# Altium PCB F407.PcbDoc (part 1 of 2) (continued)
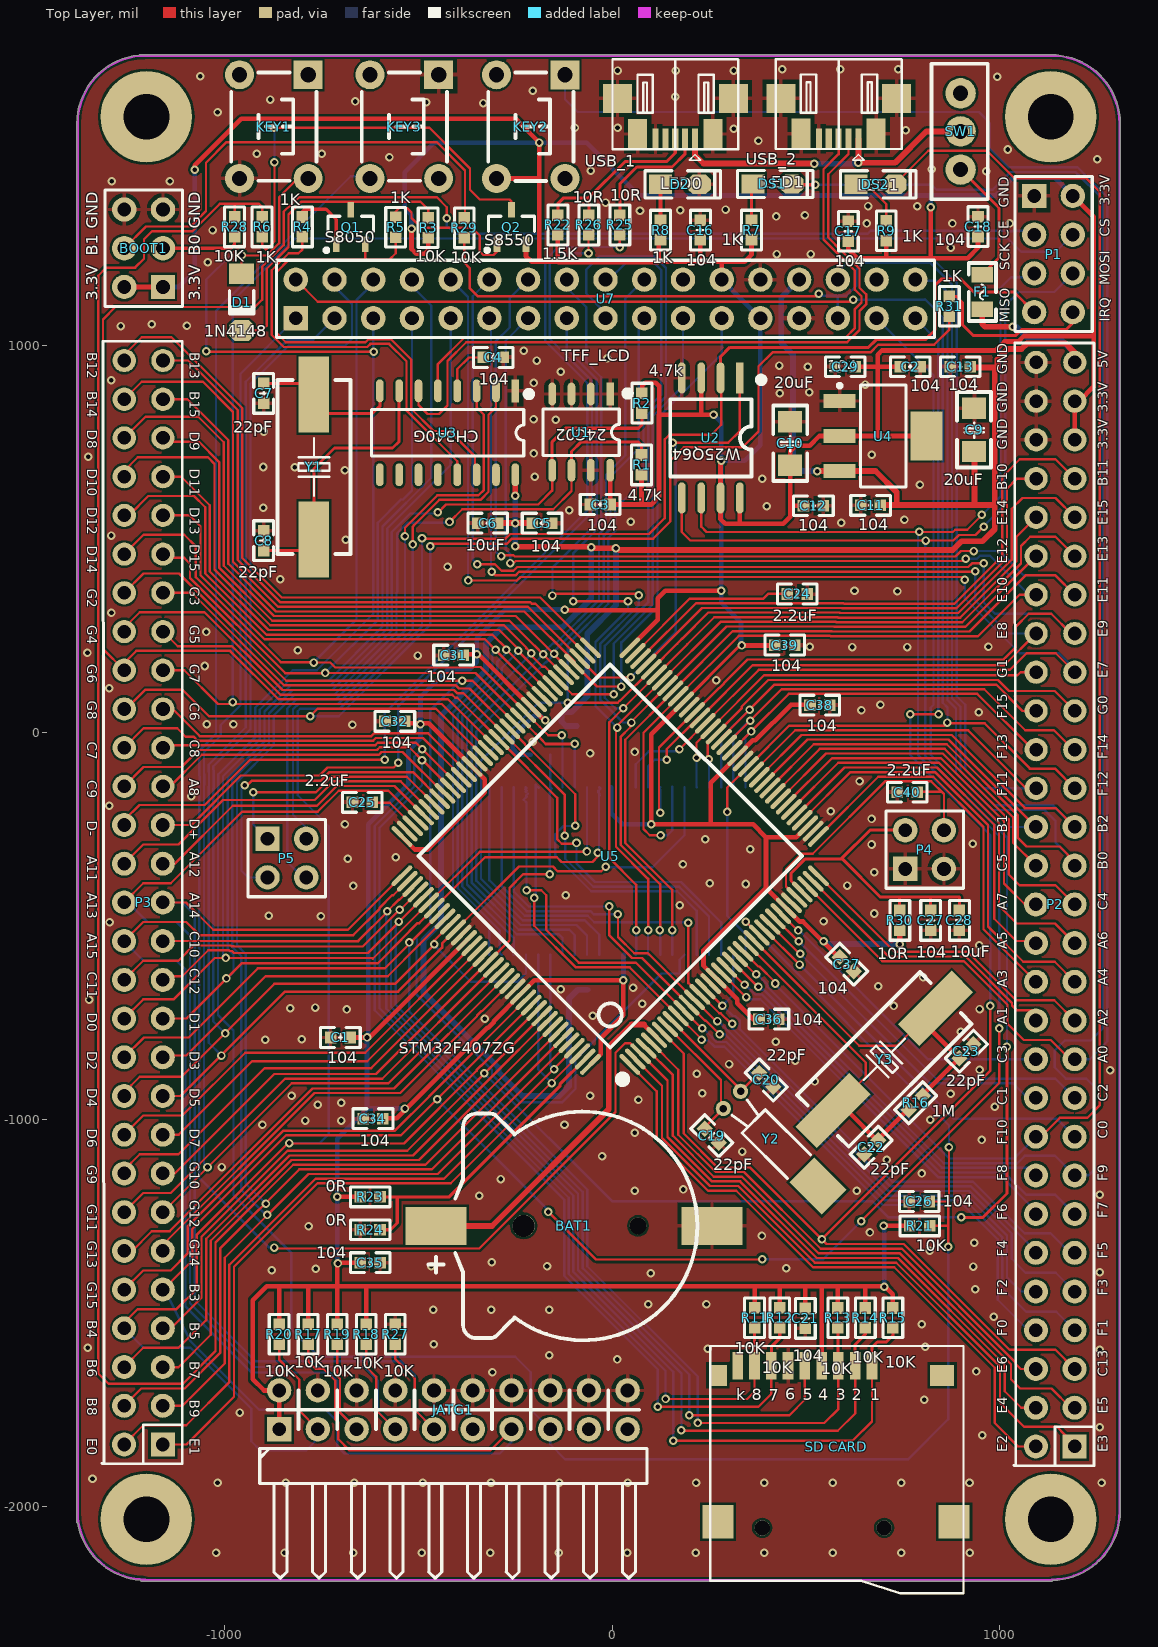
[diagram p0: Top Layer view]
## Part data
BAT1: library part CR-3V, "微型电池"
C1 C2 C3 C4 C5 C6 C7 C8 C11 C12 C13 C14 C15 C16 C17 C18 C19 C20 C21 C22 C23 C24 C25 C27 C28 C29 C31 C32 C34 C35 C36 C37 C38 C39 C40: library part C, "无极性贴片电容"
C9 C10 C26: library part C-CD, "贴片钽电容"
D1: "高速开关二极管"
D2 DS1 DS2: library part LED-SMD, "贴片LED"
F1: library part FU, "贴片保险丝"
KEY1 KEY2 KEY3: library part "TSW DIP-6x6", "直插6x6轻触开关"
P2 P3: "Header, 29-Pin, Dual row"
Q1: library part 8050-SMD, "高频放大-NPN型"
Q2: library part 8550-SMD, "高频放大-PNP型"
R1 R2 R3 R4 R5 R6 R7 R8 R9 R10 R11 R12 R13 R14 R15 R16 R17 R18 R19 R20 R21 R22 R23 R24 R25 R26 R27 R28 R29 R30 R31: library part R, "贴片电阻"
"SD CARD": library part sd_Card, "TF卡座"
SW1: library part SSW-1P, "1路波动开关"
U1: "外置EEPROM"
U2: library part W25X64, "外置Flash"
U3: "串口转USB"
U4: library part AMS1117, "三端稳压芯片"
U5: "Flaah:1024/RAM:192/IO:114"
USB_1 USB_2: "微型USB母座"
Y1 Y2 Y3: library part XTAL-2P, "2脚无源脚晶振"

## Free pads (board coordinates)
  round 236.22 hole 118.11: 0(-1202.83,-2032.52) 1(1132.83,-2032.52) 2(-1202.83,1589.53) 3(1132.83,1589.53)

## Via types
v1: diameter 22, hole 12, Top Layer to Bottom Layer, tented both sides, 413 vias

## Nets (pads, with @x,y where several pads share a name; then routed paths per layer and width w, separated by ;. In a path a pad name is that pad's centre, name@x,y a point inside that pad or via, vN(x,y) a via of type N, cw(c..) or ccw(c..) an arc to the next point about the centre after c; other vN are vias at no path point)
+3.3V: "SD CARD.4" BOOT1.1 BOOT1.2 C1.2 C2.2 C3.2 C10.1 C12.1 C16.2 C17.2 C18.2 C21.2 C29.1 C31.1 C32.1 C34.1 C35.1 C36.1 C37.1 C38.1 C39.1 JATG1.1 JATG1.2 KEY2.3 P1.2 P2.53 P2.55 Q2.2 R1.2 R2.2 R3.1 R7.2 R8.2 R9.2 R10.2 R11.2 R12.2 R13.2 R14.2 R15.2 R17.1 R18.1 R19.1 R20.1 R21.2 R22.2 R23.1 R30.2 U1.8 U2.3 U2.7 U2.8 U4.2 U4.4 U5.17 U5.30 U5.39 U5.52 U5.62 U5.72 U5.84 U5.95 U5.108 U5.121 U5.131 U5.144 U6.11 U6.33 U7.24 U7.25 | length 21619
  Top Layer w6: -189.14,1430.14 -188,1429
  Top Layer w8: U5.62@184.94,78.74 248,141.79 248,142.7 329.3,224 v1(335,224)
  Top Layer w12: BOOT1.2@-1260,1150 BOOT1.1@-1160,1150 ; v1(-1078,1453) -1078,1464 -958,1584 -249,1584 v1(-188,1523) -188,1429 -188,1218.6 ; JATG1.1@-860,-1800 JATG1.2@-860,-1700 -899,-1700 -928,-1671 -928,-1467 -892,-1431 -860,-1431 ; R20.1@-860,-1529.41 -860,-1431 ; R17.1@-785,-1529.41 -785,-1432 -786,-1431 ; R19.1@-710,-1529.41 -710,-1431 ; v1(-710,-1200) R23.1@-650.59,-1200 ; C1.2@-676,-788.33 v1(-633,-788.33) -626.45,-788.33 -577.69,-739.57 ; C35.1@-650.59,-1370 -710,-1370 -710,-1431 ; R18.1@-635,-1529.41 -635,-1431 ; C34.1@-592,-997 -556.73,-997 -322.73,-763 -319.47,-763 -306,-749.53 -306,-746.27 U5.131@-236.7,-676.98 -200.73,-641 v1(29,-641) 29,-731.3 -29.53,-789.84 -29.53,-814.94 -29.39,-815.09 -29.39,-831.17 -55.75,-857.53 U5.144@-55.75,-857.93 ; -576.12,-738 U5.121@-375.9,-537.78 ; U5.108@-542.93,-269.25 -509.18,-303 -477,-303 -329,-155 -329,-121.27 U5.95@-361.98,-88.3 -473.33,23.06 C32.1@-534.41,23.06 ; v1(-518,1300) -518,1248 -506,1236 -484,1236 -475,1245 R3.1@-475,1277.41 ; C31.1@-383.41,204 -380.4,201 v1(-350,201) -345.05,201 U5.84@-208.86,64.82 -175.05,31 v1(-173,31) ; KEY2.3@-298.58,1430.14 -189.14,1430.14 ; Q2.2@-222.6,1260 -222.6,1229.6 -208,1215 -140,1215 ; R22.2@-140,1274.41 -140,1215 ; v1@-122,321 -116,315 117.76,315 ; C3.2@-5.41,588 76,588 ; C3.2@-5,589 U1.8@-5,676.57 ; U5.72@45.75,217.93 117.76,289.94 117.76,315 ; R1.2@76,664.82 76,588 ; R2.2@78,875.59 78,895.59 85.41,903 113,903 122,894 122,821 ; R8.2@120,1270.41 120,1215.01 ; U5.62@184.94,78.34 101,-5.6 v1(101,-238) 101,-240 103,-238 254.54,-238 ; C16.2@228,1271.41 228,1215 ; U2.3@230,915 230,820 ; v1(262,820) 230,820 ; v1(282,701) 280,699 U2.7@280,605 280,550 292,538 330,538 ; v1@283,365 v1(282,365) 137,365 117.76,345.76 117.76,315 ; U7.24@283,1169 283,1213 285,1215 ; U2.8@330,605 330,538 ; v1(335,224) C39.1@420.41,224 ; R7.2@360,1256.42 360,1233 342,1215 285,1215 ; R11.2@368,-1486.41 368,-1431 ; 372.02,-427.53 358.54,-441 236,-563.53 236,-602.76 U5.17@268.46,-635.22 323,-689.76 323,-700 364,-741 C36.1@379.41,-741 ; 372.02,-427.51 381.51,-418.02 ; 381.53,-418.02 395,-404.54 397.34,-402.19 ; R12.2@433,-1486.41 433,-1431 ; 461,585 C12.1@491.58,585 ; C21.2@499,-1488.41 499,-1432 500,-1431 ; U5.39@505.09,-241.41 475.17,-271.34 397.34,-271.34 ; C38.1@511.41,71 462.11,71 370.11,-21 363.6,-21 U5.52@324.14,-60.46 254.54,-130.06 254.54,-238 ; 541,-1431 500,-1431 ; 541.06,-1636.61 541.06,-1431.06 586,-1431.06 ; R13.2@583,-1486.94 583,-1434.07 586,-1431.06 ; C37.1@592.41,-576 580,-576 493,-489 484.15,-489 U5.30@449.41,-454.27 397.34,-402.19 ; C17.2@610,1268.41 610,1247 633,1224 708,1224 ; C29.1@627.59,944 686,944 ; R14.2@654,-1486.94 654,-1431.06 ; v1(701,-1275) R21.2@768.82,-1275 ; v1@702.48,-1431.06 654,-1431.06 ; v1@704.06,-1431.06 725,-1452 R15.2@725,-1486.94 ; R9.2@707,1268.41 R9.2@708,1269.41 708,1224 ; C2.2@744.41,944 686,944 ; U4.4@812.2,765 685,765 ; v1(823,1356) 823,1224 ; C18.2@945,1280.41 945,1251 918,1224 823,1224 ; P1.2@1190,1385 1244,1331 1244,1023.5 ; P2.53@1195,755 P2.55@1195,855 1206,855 1244,893 1244,1023.5 ; -860,-1431 -786,-1431 ; -786,-1431 -710,-1431 ; -710,-1431 -635,-1431 ; -635,-1431 368,-1431 ; -140,1215 -139,1214 118.99,1214 120,1215.01 ; 76,588 101,588 121,608 121,820 122,821 ; 120,1215 228,1215 ; 122,821 123,820 230,820 ; 228,1215 285,1215 ; 254.54,-238 364,-238 397.34,-271.34 ; 330,538 442,538 460,556 C10.1@460,689.88 460,725 475,740 510,740 535,765 U4.2@587.8,765 685,765 ; 368,-1431 433,-1431 ; 397.34,-402.19 397.34,-271.34 ; 433,-1431 500,-1431 ; 586,-1431.06 654,-1431.06 ; 685,765 686,766 686,944 ; 686,944 686,975 697,986 990.42,986 1013.42,1009 1049.33,1009 1063.83,1023.5 1244,1023.5 ; 708,1224 823,1224
  Top Layer w15: v1(743,-547.18) R30.2@743,-511.59
  Bottom Layer w12: BOOT1.1@-1160,1150 -1119,1150 -1078,1191 v1(-1078,1453) ; v1@-710,-1372 v1(-710,-1200) -710,-1050 -632,-972 ; v1(-535,-972) -632,-972 ; v1(-518,1300) -518,1335 -536,1353 -536,1446 -460,1522 -65.97,1522 70.03,1386 989,1386 1035,1432 1143,1432 P1.2@1190,1385 ; R10.2@-210.59,-58 -242,-58 -257,-43 -257,-13 -202,42 -184,42 v1(-173,31) ; v1@-132,317 -276,317 -350,243 v1(-350,201) -350,181 -367.99,163.01 -422.99,163.01 -495,91 v1(-495,21) -495,-16.47 -526,-47.47 -526,-133.82 -629.5,-237.32 -629.5,-784.83 v1(-633,-788.33) -633,-972 -632,-972 ; U6.11@-1.97,-141.93 -1.97,-209.03 27,-238 99,-238 v1@101,-240 ; v1(29,-641) 29.53,-640.47 U6.33@29.53,-575 ; v1(262,820) 263,820 282,801 v1(282,701) ; U7.24@283,1169 U7.25@383,1069 383,741 343,701 v1(282,701) ; v1@332.76,224 332.76,284.24 282,335 v1(282,365) 282,693 286,697 v1(282,701) ; v1(701,-1275) 702.48,-1276.48 v1(702.48,-1432) ; v1(823,1356) 823,1384
  Bottom Layer w15: v1(546,-539.57) 553.6,-547.18 v1(743,-547.18)
  other v1: -708,-1372 -122,316
+5V: C5.2 C6.2 C9.1 C11.1 C13.2 C14.2 C15.2 F1.2 P2.57 U3.16 U4.3 U7.28 | length 6661.7
  Top Layer w15: C6.2@-286.03,540 C5.2@-207.21,540 ; v1(-250,480) -249,479 v1(-54,478) -51,475 v1(10,475) ; v1(-250,611) U3.16@-250,665 ; v1@10,478.5 18,470.5 879.88,470.5 902.38,493 956.65,493 988,524.35 988,586.5 ; v1(529.45,674.45) U4.3@587.8,674.45 680.55,674.45 735.01,619.99 735.01,586.5 ; C11.1@692.5,585 694,586.5 735.01,586.5 ; C13.2@924.59,942 995.5,942 ; C9.1@936,720 936,586.5 ; F1.2@956,1092 956,1054 963,1047 v1(1035,1047) ; P2.57@1195,955 1195,980 1187.1,987.9 1171,1004 1071.9,1004 1057.4,989.5 1021.5,989.5 995.5,963.5 995.5,942 ; 735.01,586.5 936,586.5 ; 936,586.5 988,586.5 ; 988,586.5 988,934.5 995.5,942
  Bottom Layer w15: v1(-250,480) v1(-250,539.38) v1(-250,611) ; C14.2@-91.59,16 -119,16 -131,28 -131,45 -124.5,51.5 -104.85,51.5 -63.5,92.85 -63.5,117.15 -64,117.65 -64,254.39 10,328.39 v1(10,475) ; C15.2@-63.59,-665 -89,-665 -111,-687 -111,-914 -136.57,-939.57 -231.43,-939.57 -293.5,-877.5 -293.5,-865.88 -487.5,-671.88 -487.5,-537.5 -442,-492 -442,43.35 -325.5,159.85 -325.5,211.15 -325.5,229.5 -284,271 -128,271 -54,345 v1(-54,478) ; U7.28@483,1169 437,1123 437,1005 467,975 467,698 490.55,674.45 v1(529.45,674.45) ; v1(1035,1047) 1044,1047 1071,1020 1153,1020 1195,978 P2.57@1195,955
BOOT0: R6.2 R28.1 U5.138 | length 5168.4
  Top Layer w6: R28.1@-975,1330.59 -975,1364 -974,1365 ; R6.2@-904,1330.59 -904,1357 -912,1365 -974,1365 ; U5.138@-139.27,-774.41 -481.85,-1117 -823.28,-1117 -1024.43,-1318.14 -1024.43,-1598.45 -1108.97,-1683 -1300,-1683 -1327,-1656 -1327,1179 -1306,1200 -1232,1200 -1209,1223 -1209,1273 -1188,1294 -1084.03,1294 -1013.03,1365 -974,1365
BOOT1: P2.33 R29.2 U5.48 U7.29 | length 4155.4
  Top Layer w6: R29.2@-389,1277.41 R29.2@-382,1270.41 ; R29.2@-382,1276.82 R29.2@-382,1270.41 ; R29.2@-380,1268.41 R29.2@-382,1270.41 ; U5.48@379.82,-116.14 488.95,-7 877,-7 1066,-196 1146,-196 P2.33@1194.57,-244.57 ; v1(534,1132) 527.59,1125.59 -346.59,1125.59 -368,1147 -368,1199 -382,1213 R29.2@-382,1270.41
  Bottom Layer w6: v1(534,1132) 538.86,1127.14 583.14,1127.14 ; U7.29@555,1069 U7.29@583,1069 583,1127 583.14,1127.14 ; P2.33@1194.57,-244.57 1139,-189 988,-189 900,-101 900,66 878,88 878,1156 822,1212 648,1212 631,1195 631,1153.28 604.86,1127.14 583.14,1127.14
CH340_D+: U3.5 USB_2.3 | length 1737.1
  Top Layer w6: U3.5@-450,881.69 -450,950.97 -381.97,1019 -376,1019 539.5,1019 602,1019 627,1044 627,1093 631,1097 631.28,1097 644,1109.72 644,1126 627,1143 627,1191.82 586.4,1232.41 586.3,1232.41 546,1272.71 546,1308.97 546,1454 585.01,1493.01 USB_2.3@585.01,1532.28
CH340_D-: U3.6 USB_2.2 | length 1905.5
  Top Layer w6: U3.6@-500,881.69 -500,845 -477,822 -447,822 -425,844 -425,959 -377,1007 599.64,1007 606.97,1007 639,1039.03 639,1087.75 656,1104.75 656,1130.97 639,1147.97 639,1197.09 627.09,1209 626.79,1209 595,1240.79 595,1241.09 591.68,1244.41 591.27,1244.41 558,1277.68 558,1441 610.51,1493.51 USB_2.2@610.51,1532.28
D+: P3.33 R26.1 | length 2371.6
  Top Layer w6: P3.33@-1160.43,-239.57 -1086.55,-239.57 -958.97,-112 -755.91,-112 -734.91,-91 -564,-91 v1(-552,-79) ; v1(-61,1237) -61,1283.41 R26.1@-60,1284.41
  Bottom Layer w6: v1@-552,-73 -552,68.03 -52,568.03 -52,906.97 -161,1015.97 -161,1214.03 -138.03,1237 v1(-61,1237)
D-: P3.34 R25.1 | length 2542
  Top Layer w6: P3.34@-1260.43,-239.57 -1260.43,-227.43 -1221,-188 -1051.94,-188 -934.94,-71 v1(-587,-71) ; v1(20,1253) R25.1@20,1274.41
  Bottom Layer w6: v1(-587,-71) -587,50 -64,573 -64,902 -173,1011 -173,1219 -139,1253 -73.28,1253 -69.28,1257 -52.72,1257 -48.72,1253 v1(20,1253) v1@20,1245
F_CS: P3.56 U2.1 U5.75 | length 2850.8
  Top Layer w6: P3.56@-1260,860 -1215,905 -1056.94,905 -979,827.06 -979,440.06 -862.94,324 -217.5,324 U5.75@-83.59,190.09 -35.03,141.53 v1(48,141.53) ; v1(156,748) 300,748 330,778 U2.1@330,915
  Bottom Layer w6: v1(48,141.53) 48,142.06 164,258.06 164,740 v1(156,748)
FSMC_A0: P2.8 U5.10 U6.5 | length 2194.3
  Top Layer w6: v1(-201,-428) -201,-500 -93.62,-607.38 45.75,-607.38 U5.10@171.03,-732.66 v1@230.19,-791.82
  Bottom Layer w6: v1(-201,-428) -199,-428 v1@-195,-432 ; v1@-197,-422 -197,-135.87 U6.5@-190.94,-141.93 U6.5@-189,-143.87 ; v1@231,-796 248.25,-796 264.25,-812 289.8,-812 698.8,-1221 907.12,-1221 996,-1309.88 996,-1466 1074.57,-1544.58 P2.8@1094.57,-1544.58
  other v1: 231,-794
FSMC_A1: P2.7 U5.11 U6.4 | length 2294.1
  Top Layer w6: v1(-221,-408) -183,-408 -170,-421 -170,-511 -85.99,-595.01 61.22,-595.01 U5.11@184.94,-718.74 v1@233.21,-767
  Bottom Layer w6: U6.4@-222.44,-141.93 -222.78,-142.27 -221,-144.06 -224,-147.06 -220,-151.06 -223,-154.06 -218,-159.06 -222.6,-163.65 -220,-166.25 -228,-174.25 -221,-181.25 v1@-221,-402 ; v1@234,-763 257.5,-786.5 257.5,-788.28 269.22,-800 294.77,-800 703.77,-1209 912.09,-1209 1008,-1304.91 1008,-1436 1069,-1497 1147,-1497 P2.7@1194.57,-1544.58
  other v1: 233,-765
FSMC_A2: P2.10 U5.12 U6.3 | length 2143.4
  Top Layer w6: v1(-7,-450) -7,-525 51.01,-583.01 77.06,-583.01 U5.12@198.86,-704.82 ; U5.12@205.62,-710.62 240,-745 ; U5.12@205.62,-709.62 U5.12@205.62,-708.34 ; 240,-744 240.5,-744.5 241.78,-744.5 272.28,-775 273.28,-774 v1@277.5,-778.22
  Bottom Layer w6: U6.3@-253.94,-141.93 -253.94,-411.63 -215.57,-450 v1(-7,-450) ; v1@280,-780 291.75,-780 708.75,-1197 917.06,-1197 1020,-1299.94 1020,-1408 1056.57,-1444.58 P2.10@1094.57,-1444.58
  other v1: 277.5,-780
FSMC_A3: P2.9 U5.13 U6.2 | length 2242.3
  Top Layer w6: v1(15,-470) 15,-529 57.01,-571.01 92.9,-571.01 U5.13@212.78,-690.9 265.89,-744 v1@273,-744
  Bottom Layer w6: U6.2@-285.43,-141.93 -285.43,-397.11 -220.54,-462 -56,-462 -47.5,-470.5 -47,-470 v1(15,-470) ; v1@272.64,-744.36 273.07,-744.36 713.72,-1185 922.03,-1185 1032,-1294.97 1032,-1360 1068,-1396 1146,-1396 P2.9@1194.57,-1444.58
  other v1: 272,-746
FSMC_A4: P2.12 U5.14 U6.1 | length 2137.6
  Top Layer w6: v1(197,-492) 197,-648 197.73,-648 U5.14@226.7,-676.98 227.69,-676.98 276.72,-726 280.28,-726 v1@304.28,-750
  Bottom Layer w6: U6.1@-316.93,-141.93 -316.93,-382.58 -225.51,-474 -63,-474 -46,-491 v1@191,-491 ; v1(310,-753) 310,-764.31 718.69,-1173 927,-1173 1094.57,-1340.58 P2.12@1094.57,-1344.58
FSMC_A5: P2.11 U5.15 U6.24 | length 1382.2
  Top Layer w6: U5.15@240.62,-663.06 283.56,-706 v1(285,-706)
  Bottom Layer w6: v1(285,-706) 312.99,-678.01 U6.24@312.99,-575 ; v1@292,-713 312,-733 318.28,-733 330,-744.72 330,-767.34 723.66,-1161 931.97,-1161 1064.97,-1294 1132.28,-1294 1182.86,-1344.58 P2.11@1194.57,-1344.58
FSMC_A6: P2.35 U5.50 U6.23 U7.2 | length 4287
  Top Layer w6: U7.2@-817,1169 -760,1112 618,1112 v1(623,1117) ; v1(297,-206) 297,-143.27 U5.50@351.98,-88.3 457.27,17 859,17 865,23 962,23 1079,-94 1144,-94 P2.35@1195,-145
  Bottom Layer w6: v1(297,-206) 297,-474 344.49,-521.49 U6.23@344.49,-575 ; v1@628,1112 v1(623,1117) 807,1117 808,1118 854,1072 854,76 866,64 v1(866,25) v1@866,18 ; P2.35@1195,-145 P2.35@1212,-145
FSMC_A7: P2.38 U5.53 U6.22 | length 1062.9
  Top Layer w6: U5.53@310.22,-46.54 v1@364.98,8.22 ; v1(359,2) 359,1.8 456.2,99 943,99 1087,-45 P2.38@1095,-45
  Bottom Layer w6: U6.22@344.49,-141.93 344.49,-11.99 v1@358.24,1.76
FSMC_A8: P2.37 U5.54 U6.21 | length 1206.8
  Top Layer w6: U5.54@296.3,-32.62 296.3,-30.42 v1(356.72,30) 437.72,111 961,111 1067,5 1141.3,5 1180,-33.7 P2.37@1180,-45
  Bottom Layer w6: U6.21@312.99,-141.93 312.99,-12.01 355,30 v1(356.72,30)
FSMC_A9: P2.40 U5.55 U6.20 | length 1132.6
  Top Layer w6: U5.55@282.38,-18.7 282.38,-14.34 419.72,123 992,123 1060,55 P2.40@1095,55
  Bottom Layer w6: U6.20@281.5,-141.93 281.5,-15.22 354.72,58 v1(355,58)
FSMC_A10: P2.39 U5.56 U6.19 | length 1168
  Top Layer w6: v1(250,-70) 246.6,-66.6 246.6,-26.65 U5.56@268.46,-4.78 334.41,61.16 334.41,65.97 403.43,135 996.97,135 1025.4,106.57 1143.43,106.57 P2.39@1195,55
  Bottom Layer w6: U6.19@250,-141.93 v1(250,-70)
FSMC_A11: P2.42 U5.57 U6.18 | length 1068.3
  Top Layer w6: v1(218,-66) 218,-27.4 U5.57@254.54,9.14 392.4,147 1047,147 1055,155 P2.42@1095,155
  Bottom Layer w6: v1(218,-66) 218,-142.43 U6.18@218.5,-141.93
FSMC_A12: P3.46 U5.87 U6.28 | length 3085.5
  Top Layer w6: P3.46@-1260,360 -1210,410 -1118.64,410 -841.65,133 v1(-387,133) -360.56,133 U5.87@-250.62,23.06
  Bottom Layer w6: v1@-393.01,133.01 -470,56.01 -470,-493 -505,-528 -505,-533.72 -504,-534.72 -504,-551.28 -505,-552.28 -505,-677.72 -310,-872.72 -310,-884.33 -238.26,-956.07 -129.74,-956.07 -94.5,-920.83 -94.5,-845.22 127.35,-623.37 174.35,-623.37 174.35,-587.65 U6.28@187.01,-575
FSMC_A13: P3.45 U5.88 U6.27 | length 2016.9
  Top Layer w6: P3.45@-1160,360 -1085.62,360 -846.62,121 -403.28,121 -395.28,113 -368.4,113 U5.88@-264.54,9.14 -225,-30.4 -225,-32.28 -213.28,-44 -211.4,-44 -95,-160.4 v1(-95,-242)
  Bottom Layer w6: v1(-95,-242) -125.28,-242 -147,-263.72 -147,-317.94 -53.94,-411 168,-411 218.5,-461.5 U6.27@218.5,-575
FSMC_A14: P3.44 U5.89 U6.26 | length 2066.5
  Top Layer w6: P3.44@-1260,260 -1260,270 -1220,310 -1052.59,310 -851.59,109 -408.25,109 -400.25,101 -384.24,101 U5.89@-278.46,-4.78 ; U5.89@-278.84,-5.16 -122,-162 v1(-122,-267)
  Bottom Layer w6: v1(-122,-267) -115,-267 -121,-273 -121,-326.97 -48.97,-399 172.97,-399 250,-476.03 U6.26@250,-575
FSMC_A15: P3.43 U5.90 U6.25 | length 1932.2
  Top Layer w6: P3.43@-1160,260 -1122,222 -981.56,222 -856.56,97 -413.23,97 -405.23,89 -400.08,89 U5.90@-292.38,-18.7 -142,-169.08 -142,-276 -130,-288 -94,-288 v1(-92,-286)
  Bottom Layer w6: v1(-92,-286) -92,-339 -44,-387 177.94,-387 281.5,-490.55 U6.25@281.5,-575
FSMC_A16: P3.51 U5.80 U6.42 | length 2233.9
  Top Layer w6: P3.51@-1160,660 -1113,660 -1039,586 -1039,415.21 -887.79,264 -291.72,264 -242,214.28 v1(-242,210.28) -242,208.72 -153.78,120.49 U5.80@-153.19,120.49
  Bottom Layer w6: U6.42@-253.94,-575 -253.94,-531.12 -386.83,-398.23 -386.83,41.25 -285,143.08 -285,166.03 -242,209.03 v1(-242,210.28)
FSMC_A17: P3.50 U5.81 U6.43 | length 2296.8
  Top Layer w6: P3.50@-1260,560 -1247.84,560 -1197.84,610 -1079.97,610 -1051,581.03 -1051,410.24 -892.76,252 -308.72,252 v1@-273,216.28 ; v1(-273,212.91) -167.11,107.02 U5.81@-167.11,106.57
  Bottom Layer w6: U6.43@-285.43,-575 -289.94,-570.5 -289.94,-512.09 -398.83,-403.2 -398.83,46.22 -297,148.05 -297,181 v1@-275.37,202.63
FSMC_A18: P3.49 U5.82 U6.44 | length 2118.8
  Top Layer w6: P3.49@-1160,560 -1091,560 -1063,532 -1063,405.27 -897.73,240 -328.37,240 v1(-301,212.63) U5.82@-181.03,92.66
  Bottom Layer w6: U6.44@-316.93,-575 -316.93,-502.07 -410.83,-408.17 -410.83,51.19 -309,153.02 -309,204.63 v1(-301,212.63)
FSMC_D0: P3.48 U5.85 U6.7 U7.6 | length 2597.5
  Top Layer w6: P3.48@-1260,460 -1210,510 -1105,510 -1075,480 -1075,400.3 -855.7,181 v1@-770,181 ; v1(-771,180) -728,180 -715,167 -359.7,167 -358.45,168.24 -340.13,168.24 U5.85@-222.78,50.9 -222.78,49.78 -187,14 -186.72,14 -164.72,-8 v1(-130,-8)
  Bottom Layer w6: v1@-770,181 -660,291 -660,1116 -617,1159 U7.6@-617,1169 ; U6.7@-127.95,-141.93 v1@-127.95,-10.05
FSMC_D1: P3.47 U5.86 U6.8 U7.7 | length 2496.1
  Top Layer w6: P3.47@-1160,460 -1160,450.41 -1105.41,450.41 -1090,435 -1090,398.32 -844.26,152.58 v1@-741,152.58 ; v1@-741,160.01 -733.99,153 -352.73,153 U5.86@-236.7,36.98 -236.7,35.42 -197.28,-4 -196.72,-4 -185,-15.72 -185,-16.28 -171.74,-29.54 -97.41,-29.54 -98.87,-31 -172,-31
  Bottom Layer w6: v1(-741,153) -741,154 -605,290 -605,541.17 -545.17,601 -540.2,601 -517,624.2 U7.7@-517,1069 ; U6.8@-96.46,-141.93 v1(-96.46,-29.54)
FSMC_D2: P3.24 U5.114 U6.9 U7.8 | length 3593.6
  Top Layer w6: P3.24@-1260.43,-739.57 -1210.85,-690 -1133.03,-690 -1026.03,-583 v1(-998,-583) -619.99,-583 -617.99,-585 U5.114@-473.33,-440.35 -341.99,-309 -74.28,-309 v1@-68,-315.28
  Bottom Layer w6: v1(-998,-583) -1005,-576 -1005,-113.8 -910,-18.8 -910,58.11 -835.11,133 -732.72,133 -593,272.72 -593,531.23 -467,657.23 -467,1102 -517,1152 U7.8@-517,1169 ; v1@-65,-302 -64.96,-301.96 U6.9@-64.96,-141.93
  other v1: -65,-308
FSMC_D3: P3.23 U5.115 U6.10 U7.9 | length 3515.2
  Top Layer w6: P3.23@-1160.43,-739.57 -1099.57,-739.57 v1(-996,-636) -957,-597 -605.28,-597 -544,-535.72 -544,-534.72 -502.28,-493 -498.15,-493 U5.115@-459.41,-454.27 -328.15,-323 -142.77,-323 -130.77,-335 -51,-335 -37,-321 v1(-37,-311)
  Bottom Layer w6: v1(-996,-636) -995,-636 -978,-619 -978,-574.72 -993,-559.72 -993,-118.77 -898,-23.77 -898,53.14 -830.14,121 -727.75,121 -581,267.75 -581,526.25 -417,690.25 U7.9@-417,1069 ; v1(-37,-311) -37,-307.72 -34,-304.72 -34,-165.39 -32,-163.39 -34,-161.39 -32,-159.39 -36,-155.39 -34,-153.39 -36,-151.39 -31,-146.39 -32,-145.39 -31,-144.39 U6.10@-33.46,-141.93
FSMC_D4: P2.41 U5.58 U6.13 U7.10 | length 3825
  Top Layer w6: v1@-369,392 -247.77,392 -246.77,391 -236.77,401 904,401 v1(911,394) ; v1@173.28,-44.28 U5.58@240.62,23.06 378.52,160.95 1026.95,160.95 1070.01,204.01 1145.99,204.01 P2.41@1195,155
  Bottom Layer w6: U7.10@-417,1169 -372,1124 -372,395 v1@-369,392 ; U6.13@61.02,-141.93 61.02,-82.98 95,-49 v1@168,-49 ; v1(911,394) 911,346 1052.99,204.01 1153.99,204.01 1195,163 P2.41@1195,155
  other v1: 174,-44 -372,392
FSMC_D5: P2.44 U5.59 U6.14 U7.11 | length 3402.3
  Top Layer w6: v1(-311,414) -302,405 -249.75,405 -240.25,414.5 936.5,414.5 v1(938,416) ; v1(141,-71) 141,-43.72 221.69,36.98 U5.59@226.7,36.98 362.73,173 1013,173 P2.44@1095,255
  Bottom Layer w6: U7.11@-317,1069 -312.82,1064.82 -312.82,422 -311,420.18 v1(-311,414) ; U6.14@95,-139.45 U6.14@92.52,-141.93 92.52,-88.48 110,-71 v1(141,-71) ; v1(938,416) 938,344 936,342 1023,255 P2.44@1095,255
FSMC_D6: P2.43 U5.60 U6.15 U7.12 | length 3970.2
  Top Layer w6: v1(-348,434) -302.72,434 -285.72,417 -254.72,417 -245.22,426.5 919.78,426.5 929.28,436 v1(960,436) ; v1(124.02,-208) 121,-204.98 121,-39.69 211.58,50.9 U5.60@212.78,50.9 275.89,114 277.28,114 289,125.72 289,127.11 349.89,188 1011.03,188 1043,219.97 1043,273 1076,306 1134,306 1185,255 P2.43@1195,255
  Bottom Layer w6: v1(-348,434) -360,446 -360,1126 U7.12@-317,1169 ; v1(124.02,-208) 124.02,-147.96 121,-144.95 U6.15@124.02,-141.93 ; v1(960,436) 960,334.97 988.97,306 1134,306 1185,255 P2.43@1195,255 P2.43@1207,255
FSMC_D7: P2.46 U5.63 U6.16 U7.13 | length 3682.6
  Top Layer w6: v1(-263,437) -254,437 -249,442 907,442 v1(913,448) ; v1(125,-266) 97,-266 81,-250 81,-1.25 171.03,88.77 U5.63@171.03,92.66 327.37,249 562.93,249 563.92,248 945,248 1052,355 P2.46@1095,355
  Bottom Layer w6: v1(-263,437) -263,460.28 -274.69,471.97 -274.69,1011.31 U7.13@-217,1069 ; v1(125,-266) 143,-266 155.49,-253.51 U6.16@155.51,-141.93 ; v1(913,448) 942.28,448 950.28,456 976,456 1077,355 P2.46@1095,355 ; U6.16@155.51,-141.93 155,-141.42 155.51,-140.91 156,-141.39 U6.16@155.51,-141.93
FSMC_D8: P2.45 U5.64 U6.29 U7.14 | length 4266.5
  Top Layer w6: v1(-286,455) -286,461.28 -281.38,456.67 -281.05,457 -254.72,457 -251.72,454 886.72,454 900.72,468 v1(934,468) ; v1@155,-506 155,-406.83 34,-285.83 34,-19.28 157.11,103.82 U5.64@157.11,106.57 157.11,106.82 311.28,261 567.9,261 568.89,260 923,260 1068,405 1145,405 P2.45@1195,355
  Bottom Layer w6: v1(-286,455) -291.39,455 -292.39,454 -293.28,454.9 -291,457.18 -300.82,467 -300.82,1009.18 -264,1046 -264,1122 U7.14@-217,1169 ; U6.29@155.51,-575 v1@155.51,-510.49 ; v1(934,468) 1000.25,468 1063.25,405 1145,405 P2.45@1195,355
  other v1: 155,-511
FSMC_D9: P2.48 U5.65 U6.30 U7.15 | length 3319.7
  Top Layer w6: v1(-154,353) -149,358 65,358 v1(69,354) ; v1@124,-507 124,-392.8 22,-290.8 22,-12 47,13 47,24.31 U5.65@143.19,120.49 295.69,273 572.87,273 573.86,272 912,272 P2.48@1095,455
  Bottom Layer w6: v1@-154,358 -154,425.75 -40,539.75 -40,911.94 -117,988.94 U7.15@-117,1069 ; v1(50,25) 28.28,25 -31,84.28 -31,227.91 69,327.91 v1(69,354) v1@69,361 ; U6.30@124.02,-575 v1@124.02,-507
  other v1: 123,-511
FSMC_D10: P2.47 U5.66 U6.31 U7.16 | length 3481.8
  Top Layer w6: v1(-100,338) v1(41,338) ; v1@10,12 10,-295.77 93,-378.77 v1@93,-507 ; v1(13,12) 13.15,12 17,15.85 v1@13.85,19 ; v1@14.3,19 129.27,133.97 U5.66@129.27,134.41 129.7,134.41 280.28,285 577.84,285 578.83,284 904.17,284 1056,435.83 1056,481 1080,505 1145,505 P2.47@1195,455
  Bottom Layer w6: U7.16@-117,1169 -117,1148 -67,1098 -67,955.91 -28,916.91 -28,534.78 -100,462.78 v1(-100,338) ; v1(13,12) -43,68 -43,232.88 41,316.88 v1(41,338) ; U6.31@92.52,-575 v1@92.52,-509.52
  other v1: 93,-511
FSMC_D11: P2.50 U5.67 U6.32 U7.17 | length 3607.4
  Top Layer w6: v1@62,-507 63,-506 63,-503 62,-502 62,-393.72 -7,-324.72 -7,25.99 v1(29,61.99) U5.67@115.35,148.33 115.62,148.33 194,226.72 ; 194,226.99 264.01,297 582.81,297 583.8,296 899.2,296 1044,440.8 1044,504 P2.50@1095,555
  Bottom Layer w6: U7.17@-17,1069 -17,1083 -67,1133 -67,1195 -33,1229 109,1229 139,1199 139,866.94 93,820.94 93,334.94 -19,222.94 -19,89.25 8.27,61.99 v1(29,61.99) ; U6.32@61.02,-575 62,-574.02 v1(62,-511) v1@62,-503
FSMC_D12: P2.49 U5.68 U6.35 U7.18 | length 4025.4
  Top Layer w6: v1(-115,76) 14.73,76 20.72,81.99 21.16,81.99 U5.68@101.43,162.25 168,228.82 168,229.28 179.72,241 180.18,241 248.17,309 587.78,309 588.77,308 894.23,308 1032,445.77 1032,577 1060,605 1145,605 P2.49@1195,555
  Bottom Layer w6: U6.35@-33.46,-575 -33.46,-522.54 -70,-486 -231.06,-486 -338.83,-378.23 -338.83,-72.83 -190,76 v1(-115,76) -115,226.72 -10,331.72 -10,501.87 8,519.87 8,577 81,650 81,825.91 127,871.91 127,1194 107,1214 37.25,1214 -7.75,1169 U7.18@-17,1169
FSMC_D13: P3.54 U5.77 U6.36 U7.19 | length 3657.8
  Top Layer w6: P3.54@-1260,760 -1205,815 -1068.97,815 -1003,749.03 -1003,430.12 -872.88,300 -248.72,300 v1@-150,201.28 ; v1(-150,202.64) v1@-150,201.28 ; U5.77@-111.43,162.25 -150,200.82 v1@-150,201.28
  Bottom Layer w6: U6.36@-64.96,-575 -64.96,-525.04 -92,-498 -236.03,-498 -350.83,-383.2 -350.83,1.81 -171.64,181 -169.72,181 -158,192.72 -158,194.64 v1(-150,202.64) -150,208.7 -22,336.7 -22,506.84 -4,524.84 -4,660 69,733 69,1055 U7.19@83,1069
FSMC_D14: P3.53 U5.78 U6.37 U7.20 | length 3564.1
  Top Layer w6: P3.53@-1160,760 -1160,750 -1067,750 -1015,698 -1015,425.15 -877.85,288 -265.01,288 -201.01,224 -200.57,224 -188.85,212.28 -188.85,211.84 U5.78@-125.35,148.33
  Bottom Layer w6: v1(-178,201) -362.83,16.17 -362.83,-388.17 -241,-510 -110,-510 -96.46,-523.54 U6.37@-96.46,-575 ; v1@-173.75,209.03 -152.78,230 -145.67,230 -34,341.67 -34,511.81 -16,529.81 -16,664.97 34,714.97 34,1120 U7.20@83,1169